# KiCad board ControlBoard.kicad_pcb (continued)
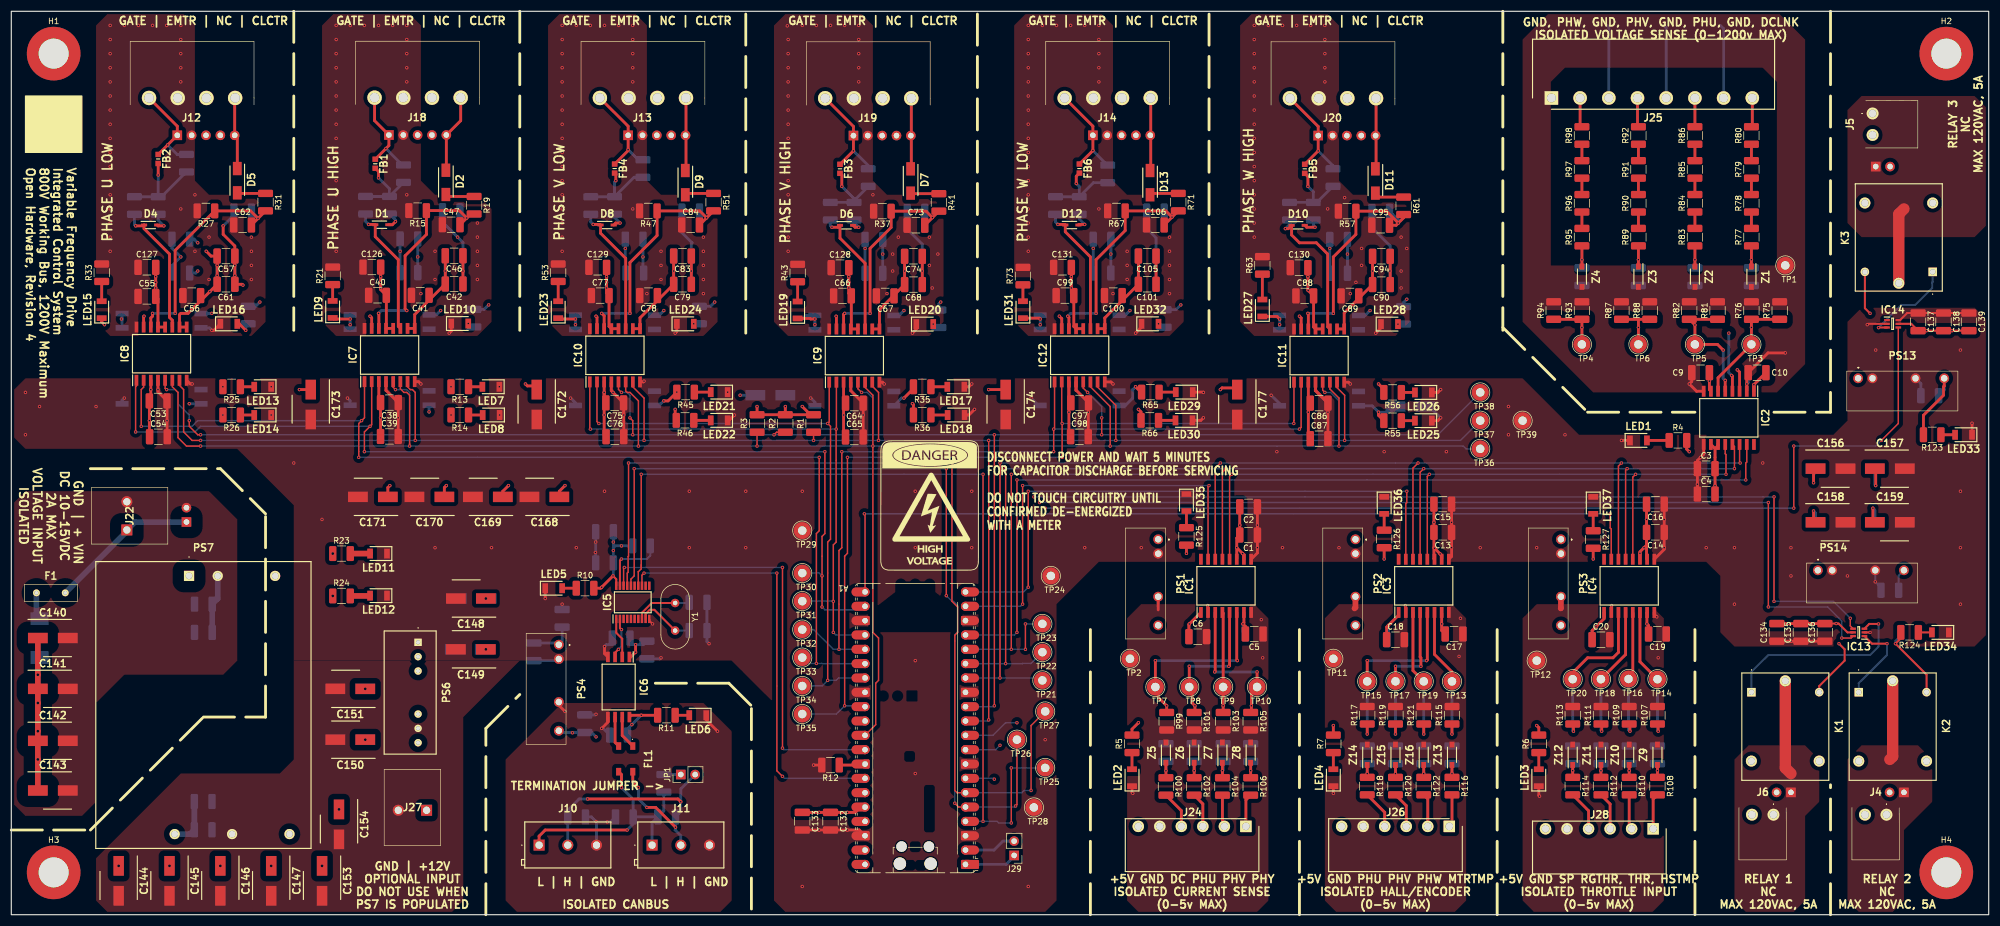
[diagram p0: board, top side]
## Placement (name value [footprint] x y rotation side) (continued)
R4  220  [R_1210_3225Metric_Pad1.30x2.65mm_HandSolder]  295 84 0 top
R5  1k  [R_1210_3225Metric_Pad1.30x2.65mm_HandSolder]  198.37 30.26 90 top
R6  1k  [R_1210_3225Metric_Pad1.30x2.65mm_HandSolder]  270.37 30.26 90 top
R7  1k  [R_1210_3225Metric_Pad1.30x2.65mm_HandSolder]  234 30.26 90 top
R8  4.7k  [R_1210_3225Metric_Pad1.30x2.65mm_HandSolder]  111.55 65.33 180 bottom
R9  120  [R_1210_3225Metric_Pad1.30x2.65mm_HandSolder]  115.5 23.28 270 bottom
R10  220  [R_1210_3225Metric_Pad1.30x2.65mm_HandSolder]  101.55 57.83 0 top
R11  220  [R_1210_3225Metric_Pad1.30x2.65mm_HandSolder]  115.95 35.32 180 top
R12  0  [R_1210_3225Metric_Pad1.30x2.65mm_HandSolder]  145 26.5 180 top
R13  4.7k  [R_1210_3225Metric_Pad1.30x2.65mm_HandSolder]  79.38 93.5 180 top
R14  220  [R_1210_3225Metric_Pad1.30x2.65mm_HandSolder]  79.38 88.5 180 top
R15  0  [R_1210_3225Metric_Pad1.30x2.65mm_HandSolder]  71.92 124.7 180 top  (not fitted)
R16  9.1  [R_1210_3225Metric_Pad1.30x2.65mm_HandSolder]  62.71 125.65 270 bottom
R17  6.8  [R_1210_3225Metric_Pad1.30x2.65mm_HandSolder]  66.92 125.65 270 bottom
R18  1k  [R_1210_3225Metric_Pad1.30x2.65mm_HandSolder]  77.87 124.7 0 bottom  (not fitted)
R19  1k  [R_1210_3225Metric_Pad1.30x2.65mm_HandSolder]  81.92 125.65 270 top
R20  0  [R_1210_3225Metric_Pad1.30x2.65mm_HandSolder]  69.42 131.25 270 bottom
R21  4.7k  [R_1210_3225Metric_Pad1.30x2.65mm_HandSolder]  56.88 113.15 90 top
R22  4.7k  [R_1210_3225Metric_Pad1.30x2.65mm_HandSolder]  81.88 105.65 90 bottom
R23  220  [R_1210_3225Metric_Pad1.30x2.65mm_HandSolder]  58.45 63.96 0 top
R24  1k  [R_1210_3225Metric_Pad1.30x2.65mm_HandSolder]  58.45 56.46 0 top
R25  4.7k  [R_1210_3225Metric_Pad1.30x2.65mm_HandSolder]  39 93.5 180 top
R26  220  [R_1210_3225Metric_Pad1.30x2.65mm_HandSolder]  39 88.5 180 top
R27  0  [R_1210_3225Metric_Pad1.30x2.65mm_HandSolder]  34.45 124.65 180 top  (not fitted)
R28  9.1  [R_1210_3225Metric_Pad1.30x2.65mm_HandSolder]  21.79 125.6 270 bottom
R29  6.8  [R_1210_3225Metric_Pad1.30x2.65mm_HandSolder]  26 125.6 270 bottom
R30  1k  [R_1210_3225Metric_Pad1.30x2.65mm_HandSolder]  40.95 124.65 0 bottom  (not fitted)
R31  1k  [R_1210_3225Metric_Pad1.30x2.65mm_HandSolder]  45 126.2 270 top
R32  0  [R_1210_3225Metric_Pad1.30x2.65mm_HandSolder]  31 133.1 270 bottom
R33  4.7k  [R_1210_3225Metric_Pad1.30x2.65mm_HandSolder]  16 113.7 90 top
R34  4.7k  [R_1210_3225Metric_Pad1.30x2.65mm_HandSolder]  41.94 106.2 90 bottom
R35  4.7k  [R_1210_3225Metric_Pad1.30x2.65mm_HandSolder]  161.23 93.5 180 top
R36  220  [R_1210_3225Metric_Pad1.30x2.65mm_HandSolder]  161.23 88.5 180 top
R37  0  [R_1210_3225Metric_Pad1.30x2.65mm_HandSolder]  154.18 124.6 180 top  (not fitted)
R38  9.1  [R_1210_3225Metric_Pad1.30x2.65mm_HandSolder]  144.97 124.6 270 bottom
R39  6.8  [R_1210_3225Metric_Pad1.30x2.65mm_HandSolder]  149.18 124.6 270 bottom
R40  1k  [R_1210_3225Metric_Pad1.30x2.65mm_HandSolder]  160.13 124.6 0 bottom  (not fitted)
R41  1k  [R_1210_3225Metric_Pad1.30x2.65mm_HandSolder]  164.18 126.15 270 top
R42  0  [R_1210_3225Metric_Pad1.30x2.65mm_HandSolder]  151.68 130.55 270 bottom
R43  4.7k  [R_1210_3225Metric_Pad1.30x2.65mm_HandSolder]  139.18 113.65 90 top
R44  4.7k  [R_1210_3225Metric_Pad1.30x2.65mm_HandSolder]  164.18 105.55 90 bottom
R45  4.7k  [R_1210_3225Metric_Pad1.30x2.65mm_HandSolder]  119.35 92.55 180 top
R46  220  [R_1210_3225Metric_Pad1.30x2.65mm_HandSolder]  119.25 87.55 180 top
R47  0  [R_1210_3225Metric_Pad1.30x2.65mm_HandSolder]  112.75 124.65 180 top  (not fitted)
R48  9.1  [R_1210_3225Metric_Pad1.30x2.65mm_HandSolder]  102.57 125.6 270 bottom
R49  6.8  [R_1210_3225Metric_Pad1.30x2.65mm_HandSolder]  106.78 125.6 270 bottom
R50  1k  [R_1210_3225Metric_Pad1.30x2.65mm_HandSolder]  120.25 124.65 0 bottom  (not fitted)
R51  1k  [R_1210_3225Metric_Pad1.30x2.65mm_HandSolder]  124.3 126.2 270 top
R52  0  [R_1210_3225Metric_Pad1.30x2.65mm_HandSolder]  111.8 132.15 270 bottom
R53  4.7k  [R_1210_3225Metric_Pad1.30x2.65mm_HandSolder]  96.8 113.7 90 top
R54  4.7k  [R_1210_3225Metric_Pad1.30x2.65mm_HandSolder]  121.8 106.2 90 bottom
R55  4.7k  [R_1210_3225Metric_Pad1.30x2.65mm_HandSolder]  244.49 87.5 180 top
R56  220  [R_1210_3225Metric_Pad1.30x2.65mm_HandSolder]  244.49 92.5 180 top
R57  0  [R_1210_3225Metric_Pad1.30x2.65mm_HandSolder]  236.44 124.6 180 top  (not fitted)
R58  9.1  [R_1210_3225Metric_Pad1.30x2.65mm_HandSolder]  226.25 124.6 270 bottom
R59  6.8  [R_1210_3225Metric_Pad1.30x2.65mm_HandSolder]  230.46 124.6 270 bottom
R60  1k  [R_1210_3225Metric_Pad1.30x2.65mm_HandSolder]  242.39 124.6 0 bottom  (not fitted)
R61  1k  [R_1210_3225Metric_Pad1.30x2.65mm_HandSolder]  246.44 125.55 270 top
R62  0  [R_1210_3225Metric_Pad1.30x2.65mm_HandSolder]  233.94 130.55 270 bottom
R63  4.7k  [R_1210_3225Metric_Pad1.30x2.65mm_HandSolder]  221.44 115 90 top
R64  4.7k  [R_1210_3225Metric_Pad1.30x2.65mm_HandSolder]  246.44 106.15 90 bottom
R65  4.7k  [R_1210_3225Metric_Pad1.30x2.65mm_HandSolder]  201.61 92.55 180 top
R66  220  [R_1210_3225Metric_Pad1.30x2.65mm_HandSolder]  201.51 87.55 180 top
R67  0  [R_1210_3225Metric_Pad1.30x2.65mm_HandSolder]  195.61 124.65 180 top  (not fitted)
R68  9.1  [R_1210_3225Metric_Pad1.30x2.65mm_HandSolder]  184.83 125.6 270 bottom
R69  6.8  [R_1210_3225Metric_Pad1.30x2.65mm_HandSolder]  189.04 125.6 270 bottom
R70  1k  [R_1210_3225Metric_Pad1.30x2.65mm_HandSolder]  202.51 124.65 0 bottom  (not fitted)
R71  1k  [R_1210_3225Metric_Pad1.30x2.65mm_HandSolder]  206.56 126.2 270 top
R72  0  [R_1210_3225Metric_Pad1.30x2.65mm_HandSolder]  194.06 131.2 270 bottom
R73  4.7k  [R_1210_3225Metric_Pad1.30x2.65mm_HandSolder]  179.06 113.1 90 top
R74  4.7k  [R_1210_3225Metric_Pad1.30x2.65mm_HandSolder]  204.06 105.6 90 bottom
R75  2k  [R_1210_3225Metric_Pad1.30x2.65mm_HandSolder]  313 107 90 top  (not fitted)
R76  1k  [R_1210_3225Metric_Pad1.30x2.65mm_HandSolder]  308 107 90 top
R77  250k  [R_1210_3225Metric_Pad1.30x2.65mm_HandSolder]  308 120 90 top
R78  250k  [R_1210_3225Metric_Pad1.30x2.65mm_HandSolder]  308 126 90 top
R79  250k  [R_1210_3225Metric_Pad1.30x2.65mm_HandSolder]  308 132 90 top
R80  250k  [R_1210_3225Metric_Pad1.30x2.65mm_HandSolder]  308 138 90 top
R81  2k  [R_1210_3225Metric_Pad1.30x2.65mm_HandSolder]  302 107 90 top  (not fitted)
R82  1k  [R_1210_3225Metric_Pad1.30x2.65mm_HandSolder]  297 107 90 top
R83  250k  [R_1210_3225Metric_Pad1.30x2.65mm_HandSolder]  298 120 90 top
R84  250k  [R_1210_3225Metric_Pad1.30x2.65mm_HandSolder]  298 126 90 top
R85  250k  [R_1210_3225Metric_Pad1.30x2.65mm_HandSolder]  298 132 90 top
R86  250k  [R_1210_3225Metric_Pad1.30x2.65mm_HandSolder]  298 138 90 top
R87  2k  [R_1210_3225Metric_Pad1.30x2.65mm_HandSolder]  285 107 90 top  (not fitted)
R88  1k  [R_1210_3225Metric_Pad1.30x2.65mm_HandSolder]  290 107 90 top
R89  250k  [R_1210_3225Metric_Pad1.30x2.65mm_HandSolder]  288 120 90 top
R90  250k  [R_1210_3225Metric_Pad1.30x2.65mm_HandSolder]  288 126 90 top
R91  250k  [R_1210_3225Metric_Pad1.30x2.65mm_HandSolder]  288 132 90 top
R92  250k  [R_1210_3225Metric_Pad1.30x2.65mm_HandSolder]  288 138 90 top
R93  2k  [R_1210_3225Metric_Pad1.30x2.65mm_HandSolder]  278 107 90 top  (not fitted)
R94  1k  [R_1210_3225Metric_Pad1.30x2.65mm_HandSolder]  273 107 90 top
R95  250k  [R_1210_3225Metric_Pad1.30x2.65mm_HandSolder]  278 120 90 top
R96  250k  [R_1210_3225Metric_Pad1.30x2.65mm_HandSolder]  278 126 90 top
R97  250k  [R_1210_3225Metric_Pad1.30x2.65mm_HandSolder]  278 132 90 top
R98  250k  [R_1210_3225Metric_Pad1.30x2.65mm_HandSolder]  278 138 90 top
R99  1k  [R_1210_3225Metric_Pad1.30x2.65mm_HandSolder]  204.5 34.26 270 top
R100  5k  [R_1210_3225Metric_Pad1.30x2.65mm_HandSolder]  204.37 22.71 270 top
R101  1k  [R_1210_3225Metric_Pad1.30x2.65mm_HandSolder]  209.37 34.26 270 top
R102  5k  [R_1210_3225Metric_Pad1.30x2.65mm_HandSolder]  209.37 22.71 270 top
R103  1k  [R_1210_3225Metric_Pad1.30x2.65mm_HandSolder]  214.5 34.26 270 top
R104  5k  [R_1210_3225Metric_Pad1.30x2.65mm_HandSolder]  214.37 22.71 270 top
R105  1k  [R_1210_3225Metric_Pad1.30x2.65mm_HandSolder]  219.37 34.26 270 top
R106  5k  [R_1210_3225Metric_Pad1.30x2.65mm_HandSolder]  219.37 22.71 270 top
R107  1k  [R_1210_3225Metric_Pad1.30x2.65mm_HandSolder]  291.37 35.32 90 top
R108  5k  [R_1210_3225Metric_Pad1.30x2.65mm_HandSolder]  291.37 22.78 270 top
R109  1k  [R_1210_3225Metric_Pad1.30x2.65mm_HandSolder]  286.37 35.32 90 top
R110  5k  [R_1210_3225Metric_Pad1.30x2.65mm_HandSolder]  286.37 22.78 270 top
R111  1k  [R_1210_3225Metric_Pad1.30x2.65mm_HandSolder]  281.37 35.32 90 top
R112  5k  [R_1210_3225Metric_Pad1.30x2.65mm_HandSolder]  281.37 22.78 270 top
R113  1k  [R_1210_3225Metric_Pad1.30x2.65mm_HandSolder]  276.37 35.32 90 top
R114  5k  [R_1210_3225Metric_Pad1.30x2.65mm_HandSolder]  276.37 22.78 270 top
R115  1k  [R_1210_3225Metric_Pad1.30x2.65mm_HandSolder]  255 35.32 90 top
R116  5k  [R_1210_3225Metric_Pad1.30x2.65mm_HandSolder]  255 22.78 270 top
R117  1k  [R_1210_3225Metric_Pad1.30x2.65mm_HandSolder]  240 35.32 90 top
R118  5k  [R_1210_3225Metric_Pad1.30x2.65mm_HandSolder]  240 22.78 270 top
R119  1k  [R_1210_3225Metric_Pad1.30x2.65mm_HandSolder]  245 35.32 90 top
R120  5k  [R_1210_3225Metric_Pad1.30x2.65mm_HandSolder]  245 22.78 270 top
R121  1k  [R_1210_3225Metric_Pad1.30x2.65mm_HandSolder]  250 35.32 90 top
R122  5k  [R_1210_3225Metric_Pad1.30x2.65mm_HandSolder]  250 22.78 270 top
R123  1k  [R_1210_3225Metric_Pad1.30x2.65mm_HandSolder]  340 85 180 top
R124  1k  [R_1210_3225Metric_Pad1.30x2.65mm_HandSolder]  336 50 180 top
R125  220  [R_1210_3225Metric_Pad1.30x2.65mm_HandSolder]  208 67 270 top
R126  220  [R_1210_3225Metric_Pad1.30x2.65mm_HandSolder]  243 66.55 270 top
R127  220  [R_1210_3225Metric_Pad1.30x2.65mm_HandSolder]  280 66.45 270 top
TP1  TestPoint  [TestPoint_Loop_D2.54mm_Drill1.5mm_Beaded]  314 115 0 top
TP2  TestPoint  [TestPoint_Loop_D2.54mm_Drill1.5mm_Beaded]  198 45.33 0 top
TP3  TestPoint  [TestPoint_Loop_D2.54mm_Drill1.5mm_Beaded]  308 101 0 top
TP4  TestPoint  [TestPoint_Loop_D2.54mm_Drill1.5mm_Beaded]  278 101 0 top
TP5  TestPoint  [TestPoint_Loop_D2.54mm_Drill1.5mm_Beaded]  298 101 0 top
TP6  TestPoint  [TestPoint_Loop_D2.54mm_Drill1.5mm_Beaded]  288 101 0 top
TP7  TestPoint  [TestPoint_Loop_D2.54mm_Drill1.5mm_Beaded]  202.5 40.33 0 top
TP8  TestPoint  [TestPoint_Loop_D2.54mm_Drill1.5mm_Beaded]  208.5 40.33 0 top
TP9  TestPoint  [TestPoint_Loop_D2.54mm_Drill1.5mm_Beaded]  214.5 40.33 0 top
TP10  TestPoint  [TestPoint_Loop_D2.54mm_Drill1.5mm_Beaded]  220.5 40.33 0 top
TP11  TestPoint  [TestPoint_Loop_D2.54mm_Drill1.5mm_Beaded]  234 45.33 0 top
TP12  TestPoint  [TestPoint_Loop_D2.54mm_Drill1.5mm_Beaded]  270 45 0 top
TP13  TestPoint  [TestPoint_Loop_D2.54mm_Drill1.5mm_Beaded]  255 41.33 0 top
TP14  TestPoint  [TestPoint_Loop_D2.54mm_Drill1.5mm_Beaded]  291.37 41.71 0 top
TP15  TestPoint  [TestPoint_Loop_D2.54mm_Drill1.5mm_Beaded]  240 41.33 0 top
TP16  TestPoint  [TestPoint_Loop_D2.54mm_Drill1.5mm_Beaded]  286.25 41.75 0 top
TP17  TestPoint  [TestPoint_Loop_D2.54mm_Drill1.5mm_Beaded]  245 41.33 0 top
TP18  TestPoint  [TestPoint_Loop_D2.54mm_Drill1.5mm_Beaded]  281.37 41.71 0 top
TP19  TestPoint  [TestPoint_Loop_D2.54mm_Drill1.5mm_Beaded]  250 41.33 0 top
TP20  TestPoint  [TestPoint_Loop_D2.54mm_Drill1.5mm_Beaded]  276.37 41.71 0 top
TP21  TestPoint  [TestPoint_Loop_D2.54mm_Drill1.5mm_Beaded]  182.5 41.5 0 top
TP22  TestPoint  [TestPoint_Loop_D2.54mm_Drill1.5mm_Beaded]  182.5 46.5 0 top
TP23  TestPoint  [TestPoint_Loop_D2.54mm_Drill1.5mm_Beaded]  182.5 51.5 0 top
TP24  TestPoint  [TestPoint_Loop_D2.54mm_Drill1.5mm_Beaded]  184 60 0 top
TP25  TestPoint  [TestPoint_Loop_D2.54mm_Drill1.5mm_Beaded]  183 26 0 top
TP26  TestPoint  [TestPoint_Loop_D2.54mm_Drill1.5mm_Beaded]  178 31 0 top
TP27  TestPoint  [TestPoint_Loop_D2.54mm_Drill1.5mm_Beaded]  183 36 0 top
TP28  TestPoint  [TestPoint_Loop_D2.54mm_Drill1.5mm_Beaded]  181 19 0 top
TP29  TestPoint  [TestPoint_Loop_D2.54mm_Drill1.5mm_Beaded]  140 68.04 0 top
TP30  TestPoint  [TestPoint_Loop_D2.54mm_Drill1.5mm_Beaded]  140 60.5 0 top
TP31  TestPoint  [TestPoint_Loop_D2.54mm_Drill1.5mm_Beaded]  140 55.54 0 top
TP32  TestPoint  [TestPoint_Loop_D2.54mm_Drill1.5mm_Beaded]  140 50.5 0 top
TP33  TestPoint  [TestPoint_Loop_D2.54mm_Drill1.5mm_Beaded]  140 45.54 0 top
TP34  TestPoint  [TestPoint_Loop_D2.54mm_Drill1.5mm_Beaded]  140 40.5 0 top
TP35  TestPoint  [TestPoint_Loop_D2.54mm_Drill1.5mm_Beaded]  140 35.54 0 top
TP36  TestPoint  [TestPoint_Loop_D2.54mm_Drill1.5mm_Beaded]  260 82.5 0 top
TP37  TestPoint  [TestPoint_Loop_D2.54mm_Drill1.5mm_Beaded]  260 87.5 0 top
TP38  TestPoint  [TestPoint_Loop_D2.54mm_Drill1.5mm_Beaded]  260 92.5 0 top
TP39  TestPoint  [TestPoint_Loop_D2.54mm_Drill1.5mm_Beaded]  267.5 87.5 0 top
Y1  8MHz  [Crystal_HC49-4H_Vertical]  117.5 55.2 270 top
Z1  SZMMSZ4678T1G  [SOD3716X135N]  308 113 270 top
Z2  SZMMSZ4678T1G  [SOD3716X135N]  298 113 270 top
Z3  SZMMSZ4678T1G  [SOD3716X135N]  288 113 270 top
Z4  SZMMSZ4678T1G  [SOD3716X135N]  278 113 270 top
Z5  SZMMSZ4678T1G  [SOD3716X135N]  204.37 28.71 90 top
Z6  SZMMSZ4678T1G  [SOD3716X135N]  209.37 28.71 90 top
Z7  SZMMSZ4678T1G  [SOD3716X135N]  214.37 28.71 90 top
Z8  SZMMSZ4678T1G  [SOD3716X135N]  219.37 28.71 90 top
Z9  SZMMSZ4678T1G  [SOD3716X135N]  291.37 28.32 90 top
Z10  SZMMSZ4678T1G  [SOD3716X135N]  286.37 28.32 90 top
Z11  SZMMSZ4678T1G  [SOD3716X135N]  281.37 28.32 90 top
Z12  SZMMSZ4678T1G  [SOD3716X135N]  276.37 28.32 90 top
Z13  SZMMSZ4678T1G  [SOD3716X135N]  255 28.32 90 top
Z14  SZMMSZ4678T1G  [SOD3716X135N]  240 28.32 90 top
Z15  SZMMSZ4678T1G  [SOD3716X135N]  245 28.32 90 top
Z16  SZMMSZ4678T1G  [SOD3716X135N]  250 28.32 90 top

## Library data of the parts
A1 = -: Datasheet: https://datasheets.raspberrypi.com/pico/pico-datasheet.pdf; Description: Versatile and inexpensive microcontroller module powered by RP2040 dual-core Arm Cortex-M0+ processor up to 133 MHz, 264kB SRAM, 2MB QSPI flash; also supports Raspberry Pi Pico 2; ki_fp_filters: RaspberryPi?Pico?Common* RaspberryPi?Pico?SMD*
C1-C139 = -: Description: Unpolarized capacitor; ki_fp_filters: C_*
C140-C177 = -: Datasheet: http://www.nichicon.co.jp/english/products/pdfs/e-ucm.pdf; Description: Nichicon 100uF 50 V Aluminium Electrolytic Capacitor SMD, CM Series 2000h 6.3 (Dia.) x 7.7mm; Height: 8; Mouser Part Number: 647-UCM1H101MCL1GS; Mouser Price/Stock: https://www.mouser.co.uk/ProductDetail/Nichicon/UCM1H101MCL1GS?qs=DSgADHjnLTkk%252B%2Fewo0WoDQ%3D%3D; Manufacturer_Name: Nichicon
D1 D4 D6 D8 D10 D12 = -: Datasheet: https://www.diodes.com//assets/Datasheets/BAT54WS.pdf; Description: Diodes Inc BAT54WS-7-F, SMT Schottky Switching Diode, 30V 200mA, 5ns, 2-Pin SOD-323; Height: 1.2; Mouser Part Number: 621-BAT54WS-F; Mouser Price/Stock: https://www.mouser.co.uk/ProductDetail/Diodes-Incorporated/BAT54WS-7-F?qs=BJo294706GxanB6a%2FKrrdw%3D%3D; Manufacturer_Name: Diodes Incorporated
D2 D5 D7 D9 D11 D13 = -: Datasheet: https://www.mccsemi.com/pdf/Products/FM2000GP(SMA).pdf; Description: Fast Recovery Rectifiers; Height: 2.44; Mouser Part Number: 833-FM2000GP-TP; Mouser Price/Stock: https://www.mouser.co.uk/ProductDetail/Micro-Commercial-Components-MCC/FM2000GP-TP?qs=y6ZabgHbY%252BxF9Taq4zonHw%3D%3D; Manufacturer_Name: MCC
D3 = -: Datasheet: https://www.onsemi.com/pub/Collateral/S3N-D.PDF; Description: Glass-Passivated Junction.; High Breakdown Voltage Rating; Low-Profile Package; UL Flammability Classification: 94V-0; Height: 2.65; Mouser Part Number: 512-S3N; Mouser Price/Stock: https://www.mouser.co.uk/ProductDetail/onsemi-Fairchild/S3N?qs=1e7cUg5%2FiX9vmmrP5FC5Aw%3D%3D; Manufacturer_Name: onsemi
F1 = -: Datasheet: https://componentsearchengine.com/Datasheets/1/MF-RHT200_32-2.pdf; Description: BOURNS - MF-RHT200/32-2 - FUSE, RESETTABLE PTC, AEC-Q200, 32V, THD; Height: 14; Mouser Part Number: 652-MF-RHT200/32-2; Mouser Price/Stock: https://www.mouser.co.uk/ProductDetail/Bourns/MF-RHT200-32-2?qs=0lQeLiL1qyakA%2F3J%2FiyUHw%3D%3D; Manufacturer_Name: Bourns; Manufacturer_Part_Number: MF-RHT200/32-2
FB1-FB6 = -: Description: TAIYO YUDEN - FBMJ1608HS220NTR - FERRITE BEAD, 22 OHM, 7.5A, 0603; Height: 1; Mouser Part Number: 963-FBMJ1608HS220NTR; Mouser Price/Stock: https://www.mouser.co.uk/ProductDetail/TAIYO-YUDEN/FBMJ1608HS220NTR?qs=qEEMd6hQM8XfqBRLulOo%2FQ%3D%3D; Manufacturer_Name: TAIYO YUDEN
FL1 = -: Datasheet: https://product.tdk.com/system/files/dam/doc/product/emc/emc/cmf_cmc/catalog/cmf_automotive_signal_act45b_en.pdf; Description: Common Mode Filters / Chokes, |Z|=5800 at 10MHz, L x W x T :; Height: 3; Mouser Part Number: 810-ACT45B1012PTL003; Mouser Price/Stock: https://www.mouser.co.uk/ProductDetail/TDK/ACT45B-101-2P-TL003?qs=SKgu1TwNDxoLFWvwfqJuJA%3D%3D; Manufacturer_Name: TDK
H1-H4 = -: Description: Mounting Hole with connection; ki_fp_filters: MountingHole*Pad*
IC1-IC4 = -: Datasheet: https://www.analog.com/MAX22530/datasheet; Description: Field-Side Self-Powered, 4-Channel, 12-bit, Isolated ADC; Height: 2.65; Mouser Part Number: 700-MAX22530AWE+; Mouser Price/Stock: https://www.mouser.co.uk/ProductDetail/Analog-Devices-Maxim-Integrated/MAX22530AWE%2b?qs=DRkmTr78QASxug5yEXUKBg%3D%3D; Manufacturer_Name: Analog Devices
IC5 = -: Datasheet: https://datasheet.datasheetarchive.com/originals/distributors/SFDatasheet-4/sf-00090060.pdf; Description: CAN controller with SPI, 125 degC; Height: 1.2; Mouser Part Number: 579-MCP2515-E/ST; Mouser Price/Stock: https://www.mouser.co.uk/ProductDetail/Microchip-Technology/MCP2515-E-ST?qs=y1t9dHv1DsIvDWDHTyyG6w%3D%3D; Manufacturer_Name: Microchip; Manufacturer_Part_Number: MCP2515-e/ST
IC6 = -: Datasheet: http://www.ti.com/lit/gpn/ISO1042; Description: Isolated CAN Transceiver With 70-V Bus Fault Protection and Flexible Data Rate; Height: 2.8; Mouser Part Number: 595-ISO1042BDWVR; Mouser Price/Stock: https://www.mouser.co.uk/ProductDetail/Texas-Instruments/ISO1042BDWVR?qs=qSfuJ%252Bfl%2Fd68DAhWt0GTEQ%3D%3D; Manufacturer_Name: Texas Instruments
IC7-IC12 = -: Datasheet: https://datasheet.datasheetarchive.com/originals/distributors/DKDS-11/217546.pdf; Description: Analog Devices ADUM4136BRWZ Isolated Gate Driver MOSFET Power Driver, 4A 16-Pin, SOIC; Height: 2.65; Mouser Part Number: 584-ADUM4136BRWZ; Mouser Price/Stock: https://www.mouser.co.uk/ProductDetail/Analog-Devices/ADUM4136BRWZ?qs=k%252BwXAfPrzCnA9iFf%252BwzfLg%3D%3D; Manufacturer_Name: Analog Devices
IC13 IC14 = -: Datasheet: https://www.diodes.com//assets/Datasheets/ds30756.pdf; Description: Diodes Inc, DRDNB21D-7, Dual NPN Digital Transistor, 100 mA 50 V, 6-Pin SOT-363; Height: 1.1; Mouser Part Number: 621-DRDNB21D-7; Mouser Price/Stock: https://www.mouser.co.uk/ProductDetail/Diodes-Incorporated/DRDNB21D-7?qs=mQbszxtPdlPuLejzjzn%2Fng%3D%3D; Manufacturer_Name: Diodes Incorporated
J1-J3 J21 J29 = -: Description: Generic connector, single row, 01x02, script generated; ki_fp_filters: Connector*:*_1x??_*
J4-J6 = -: Datasheet: https://www.sameskydevices.com/product/resource/supplyframepdf/tbp02r1-381.pdf; Description: 2~24 Poles, Pluggable,Receptacle, Horizontal, 3.81 Pitch, Terminal Block Connector; Height: 7.2; Mouser Part Number: 490-TBP02R1-381-02BE; Mouser Price/Stock: https://www.mouser.co.uk/ProductDetail/CUI-Devices/TBP02R1-381-02BE?qs=PzGy0jfpSMuDSg0nR5k9Yg%3D%3D; Manufacturer_Name: Same Sky
J7-J9 J15-J17 = -: Description: Generic connector, single row, 01x05, script generated; ki_fp_filters: Connector*:*_1x??_*
J10 J11 = -: Datasheet: https://www.phoenixcontact.com/en-in/products/pcb-terminal-block-mkdsn-15-3-508-spe-1548129; Description: Pluggable Terminal Blocks MKDSN 1,5/ 3-5,08 SPE; Height: 10.15; Mouser Part Number: 651-1548129; Mouser Price/Stock: https://www.mouser.co.uk/ProductDetail/Phoenix-Contact/1548129?qs=ulEaXIWI0c%2FYtJCBk3iUtQ%3D%3D; Manufacturer_Name: Phoenix Contact
J12-J14 J18-J20 = -: Datasheet: https://www.sameskydevices.com/product/resource/supplyframepdf/tbp01r1-508.pdf; Description: 2~24 Poles, Pluggable, Receptacle, Horizontal, 5.08 Pitch, Terminal Block Connector; Height: 8.9; Mouser Part Number: 490-TBP01R1-508-04BE; Mouser Price/Stock: https://www.mouser.co.uk/ProductDetail/Same-Sky/TBP01R1-508-04BE?qs=PzGy0jfpSMtbuigPwCNi2Q%3D%3D; Manufacturer_Name: Same Sky
J22 J27 = -: Datasheet: https://datasheet.datasheetarchive.com/originals/distributors/Datasheets-DGA18/1075322.pdf; Description: Phoenix Contact PT 2.5/ 2-5.0-V PCB Terminal Block, 2 Way/Pole, Screw Terminals, 20  10 AWG Through Hole,; Description_1: Phoenix Contact PT 2.5/ 2-5.0-V PCB Terminal Block, 2 Way/Pole, Screw Terminals, 20  10 AWG Through Hole,; Height: 9.15; Mouser Part Number: 651-1987724; Mouser Price/Stock: https://www.mouser.co.uk/ProductDetail/Phoenix-Contact/1987724?qs=gjk32EaArKIePzXcIKo3jg%3D%3D; Manufacturer_Name: Phoenix Contact
J24 J26 J28 = -: Datasheet: https://www.sameskydevices.com/product/resource/supplyframepdf/tbp02r1-381.pdf; Description: 2~24 Poles, Pluggable,Receptacle, Horizontal, 3.81 Pitch, Terminal Block Connector; Height: 7.2; Mouser Part Number: 490-TBP02R1-381-06BE; Mouser Price/Stock: https://www.mouser.co.uk/ProductDetail/CUI-Devices/TBP02R1-381-06BE?qs=PzGy0jfpSMusbQ6fY%252Bjf%252BQ%3D%3D; Manufacturer_Name: Same Sky
J25 = -: Datasheet: https://www.sameskydevices.com/product/resource/supplyframepdf/tbp01r1-508.pdf; Description: 2~24 Poles, Pluggable, Receptacle, Horizontal, 5.08 Pitch, Terminal Block Connector; Height: 8.9; Mouser Part Number: 490-TBP01R1-508-08BE; Mouser Price/Stock: https://www.mouser.co.uk/ProductDetail/CUI-Devices/TBP01R1-508-08BE?qs=PzGy0jfpSMvxLRQvHckPeQ%3D%3D; Manufacturer_Name: Same Sky
JP1 = -: Description: Jumper, 2-pole, open; ki_fp_filters: Jumper* TestPoint*2Pads* TestPoint*Bridge*
K1-K3 = -: Datasheet: https://g.componentsearchengine.com/Datasheets/0/17861032.pdf; Description: General Purpose Relays Commercial RelayRated Carrying Current :15AType of Sealing : Sealed and Waterproof TypeNumber of pole : one poleCoil Voltage : 5VCoil Type : Standard DC CoilContact Form : Form C; Height: 15.3; Mouser Part Number: 523-AWHSH105D00G; Mouser Price/Stock: https://www.mouser.co.uk/ProductDetail/Amphenol-Anytek/AWHSH105D00G?qs=rSMjJ%252B1ewcT7jFUGTuCYSw%3D%3D; Manufacturer_Name: Amphenol
LED1 LED5 LED7 LED10-LED13 LED16 LED17 LED20 LED21 LED24 LED25 LED28 LED29 LED32-LED37 = -: Description: Lite-On LTST-C230GKT Green LED, 569 nm, 3016 (1206), Rectangle Lens SMD Package; Height: 1.2; Mouser Part Number: 859-LTST-C230GKT; Mouser Price/Stock: https://www.mouser.co.uk/ProductDetail/Lite-On/LTST-C230GKT?qs=7ZnIBiPc9DrbEstVFO1DAg%3D%3D; Manufacturer_Name: Lite-On
LED2-LED4 LED6 LED8 LED9 LED14 LED15 LED18 LED19 LED22 LED23 LED26 LED27 LED30 LED31 = -: Description: Standard LEDs - SMD Red Clear 638nm; Height: 1.2; Mouser Part Number: 859-LTST-C230CKT; Mouser Price/Stock: https://www.mouser.co.uk/ProductDetail/Lite-On/LTST-C230CKT?qs=Ajas4iFhtucdJAOTHdHdqw%3D%3D; Manufacturer_Name: Lite-On
PS1-PS4 PS13 PS14 = -: Datasheet: https://www.recom-power.com/pdf/Econoline/RKE.pdf; Description: Recom Through Hole 1W Isolated DC-DC Converter, Vin Maximum of 12 V dc, I/O isolation 4kV dc, Vout 5V dc; Height: 10.7; Mouser Part Number: 919-RKE-1205S/H; Mouser Price/Stock: https://www.mouser.co.uk/ProductDetail/RECOM-Power/RKE-1205S-H?qs=IFMNCcK%2FBZwj8OgeraTUUA%3D%3D; Manufacturer_Name: RECOM Power; Manufacturer_Part_Number: RKE-1205S/H
PS5 PS8-PS12 = -: Datasheet: https://www.mouser.jp/datasheet/2/281/1/KDC_MGJ2SM-2941076.pdf; Description: Isolated DC/DC Converters DC/DC 1W SM 12-15/9V 5.2KV; Height: 4.84; Mouser Part Number: 580-MGJ2D121509MPCR7; Mouser Price/Stock: https://www.mouser.co.uk/ProductDetail/Murata-Power-Solutions/MGJ2D121509MPC-R7?qs=QNEnbhJQKva%252B8ZMbPXWu1Q%3D%3D; Manufacturer_Name: Murata Electronics
PS6 = -: Datasheet: https://app.adam-tech.com/products/download/data_sheet/247025/rd7-12s033r-data-sheet.pdf; Description: Isolated DC/DC Converters - Through Hole DC-DC Converter, Isolated Module, Single Output, 9V-18VDC Input, 3.3VDC, 3W; Height: 11.6; Manufacturer_Name: Adam Tech
PS7 = -: Datasheet: https://www.meanwellusa.com/webapp/product/search.aspx?prod=NSD15-S; Description: Isolated DC/DC Converters 15W 12V/1.25A W/EMI FILTER; Height: 9.82; Mouser Part Number: 709-NSD15-12S12; Mouser Price/Stock: https://www.mouser.co.uk/ProductDetail/MEAN-WELL/NSD15-12S12?qs=l0g2inPJSHOlwI9uYxJDvg%3D%3D; Manufacturer_Name: Mean Well
R1-R127 = -: Description: Resistor; ki_fp_filters: R_*
TP1-TP39 = -: Description: test point; ki_fp_filters: Pin* Test*
Y1 = -: Description: Two pin crystal; ki_fp_filters: Crystal*
Z1-Z16 = -: Datasheet: https://www.onsemi.com/pub/Collateral/MMSZ4678T1-D.PDF; Description: 500 mW Rating on FR-4 or FR-5 Board; Wide Zener Reverse Voltage Range - 1.8 V to 43 V; Package Designed for Optimal Automated Board Assembly; Small Package Size for High Density Applications; ESD Rating of Class 3 (exceeding 16 kV) per the Human Body Model Mechanical Characteristics:; CASE: Void-free, transfer-molded, thermosetting plastic case; FINISH: Corrosion resistant finish, easily solderable; MAXIMUM CASE TEMPERATURE FOR SOLDERING PURPOSES: 260?C for 10 Seconds; POLARITY: Cathode indicated by polarit; Height: 1.35; Mouser Part Number: 863-SZMMSZ4678T1G; Mouser Price/Stock: https://www.mouser.co.uk/ProductDetail/onsemi/SZMMSZ4678T1G?qs=PJJcWtbOkNWoCp4u9L439w%3D%3D; Manufacturer_Name: onsemi

## Footprints (pads in the part's own frame, mm; a bottom-side part is the same pattern mirrored in y, then rotated)
1548129
  rect 1.95x1.95 hole 1.3: 1(0,0)
  round 1.95 hole 1.3: 2(5.08,0) 3(10.16,0)
1987724
  rect 1.95x1.95 hole 1.3: 1(0,0)
  round 1.95 hole 1.3: 2(5,0)
ACT45B1012PTL003
  rect 1.35x0.9 smd: 1(-2.275,1.25) 2(-2.275,-1.25) 3(2.275,-1.25) 4(2.275,1.25)
AWHSH105D00G
  rect 1.5x1.5 hole 1: 1(0,0)
  round 1.95 hole 1.3: 2(12.2,0) 3(12.2,12) 5(-2,6)
  round 1.5 hole 1: 4(0,12)
BEADC1608X100N
  rect 0.95x1 smd: 1(-0.8,0) 2(0.8,0)
C_1210_3225Metric_Pad1.33x2.70mm_HandSolder
  rrect 1.325x2.7 smd: 1(-1.562,0) 2(1.562,0)
CAPAE660X800N
  rect 3.5x1.85 smd: 1(-2.65,0) 2(2.65,0)
Crystal_HC49-4H_Vertical
  round 1.5 hole 0.8: 1(0,0) 2(4.88,0)
DIOM5226X244N
  rect 2.35x1.55 smd: 1(-2.15,0) 2(2.15,0)
DIOM8059X265N
  rect 2.25x3.2 smd: 1(-3.45,0) 2(3.45,0)
LEDC3216X120N
  rect 1x1.75 smd: 1(-1.5,0) 2(1.5,0)
MFRHT200322
  round 1.217 hole 0.71: 1(0,0) 2(5.1,0)
MGJ2D121509MPCR7
  rect 1x2.3 smd: 1(-8.89,-6.985) 3(4.57,-6.985) 4(7.11,-6.985) 5(7.11,6.985) 6(4.57,6.985) 7(-6.35,6.985) 8(-8.89,6.985)
MountingHole_5.3mm_M5_ISO7380_Pad
  round 9.5 hole 5.3: 1(0,0)
NSD1512S12
  rect 1.8x1.8 hole 1.2: 1(0,0)
  round 1.8 hole 1.2: 2(0,5.08) 4(0,15.24) 6(45.72,-2.54) 7(45.72,7.62) 8(45.72,17.78)
PinHeader_1x02_P2.54mm_Vertical
  rect 1.7x1.7 hole 1: 1(0,0)
  round 1.7 hole 1: 2(0,-2.54)
PinSocket_1x02_P2.54mm_Vertical
  rect 1.7x1.7 hole 1: 1(0,0)
  round 1.7 hole 1: 2(0,-2.54)
PinSocket_1x05_P2.54mm_Vertical
  rect 1.7x1.7 hole 1: 1(0,0)
  round 1.7 hole 1: 2(0,-2.54) 3(0,-5.08) 4(0,-7.62) 5(0,-10.16)
R_1210_3225Metric_Pad1.30x2.65mm_HandSolder
  rrect 1.3x2.65 smd: 1(-1.55,0) 2(1.55,0)
RaspberryPi_Pico_Common_Unspecified
  round 2.2 hole 2.2 unplated: (-2.725,24) (2.725,24)
  round 1.85 hole 1.85 unplated: (-2.425,20.97) (2.425,20.97)
  custom 3.2x1.6 smd: 1(-9.69,24.13) 3(-9.69,19.05) 8(-9.69,6.35) 13(-9.69,-6.35) 18(-9.69,-19.05) 23(9.69,-19.05) 28(9.69,-6.35) 33(9.69,6.35) 38(9.69,19.05)
  rrect 1.6x1.6 hole 1: 1(-8.89,24.13)
  rrect 3.2x1.6 smd: 2(-9.69,21.59) 4(-9.69,16.51) 5(-9.69,13.97) 6(-9.69,11.43) 7(-9.69,8.89) 9(-9.69,3.81) 10(-9.69,1.27) 11(-9.69,-1.27) 12(-9.69,-3.81) 14(-9.69,-8.89) 15(-9.69,-11.43) 16(-9.69,-13.97) 17(-9.69,-16.51) 19(-9.69,-21.59) 20(-9.69,-24.13) 21(9.69,-24.13) 22(9.69,-21.59) 24(9.69,-16.51) 25(9.69,-13.97) 26(9.69,-11.43) 27(9.69,-8.89) 29(9.69,-3.81) 30(9.69,-1.27) 31(9.69,1.27) 32(9.69,3.81) 34(9.69,8.89) 35(9.69,11.43) 36(9.69,13.97) 37(9.69,16.51) 39(9.69,21.59) 40(9.69,24.13)
  round 1.6 hole 1: 2(-8.89,21.59) 4(-8.89,16.51) 5(-8.89,13.97) 6(-8.89,11.43) 7(-8.89,8.89) 9(-8.89,3.81) 10(-8.89,1.27) 11(-8.89,-1.27) 12(-8.89,-3.81) 14(-8.89,-8.89) 15(-8.89,-11.43) 16(-8.89,-13.97) 17(-8.89,-16.51) 19(-8.89,-21.59) 20(-8.89,-24.13) 21(8.89,-24.13) 22(8.89,-21.59) 24(8.89,-16.51) 25(8.89,-13.97) 26(8.89,-11.43) 27(8.89,-8.89) 29(8.89,-3.81) 30(8.89,-1.27) 31(8.89,1.27) 32(8.89,3.81) 34(8.89,8.89) 35(8.89,11.43) 36(8.89,13.97) 37(8.89,16.51) 39(8.89,21.59) 40(8.89,24.13)
  custom 1.6x1.6 hole 1: 3(-8.89,19.05) 8(-8.89,6.35) 13(-8.89,-6.35) 18(-8.89,-19.05) 23(8.89,-19.05) 28(8.89,-6.35) 33(8.89,6.35) 38(8.89,19.05)
RD712S033R
  rect 1.303x1.303 hole 0.76: 1(0,0)
  round 1.303 hole 0.76: 2(2.54,0) 3(5.08,0) 6(12.7,0) 7(15.24,0) 8(17.78,0)
RKE1205SH
  round 1.725 hole 1.15: 1(0,0) 2(2.54,0) 5(10.16,0) 7(15.24,0)
SHDR6W80P0X381_1X6_2365X920X720P
  rect 2.025x2.025 hole 1.35: 1(0,0)
  round 2.025 hole 1.35: 2(3.81,0) 3(7.62,0) 4(11.43,0) 5(15.24,0) 6(19.05,0)
SHDR8W100P0X508_1X8_4224X1200X890P
  rect 2.4x2.4 hole 1.6: 1(0,0)
  round 2.4 hole 1.6: 2(5.08,0) 3(10.16,0) 4(15.24,0) 5(20.32,0) 6(25.4,0) 7(30.48,0) 8(35.56,0)
